# KiCad board Registers.kicad_pcb (continued)
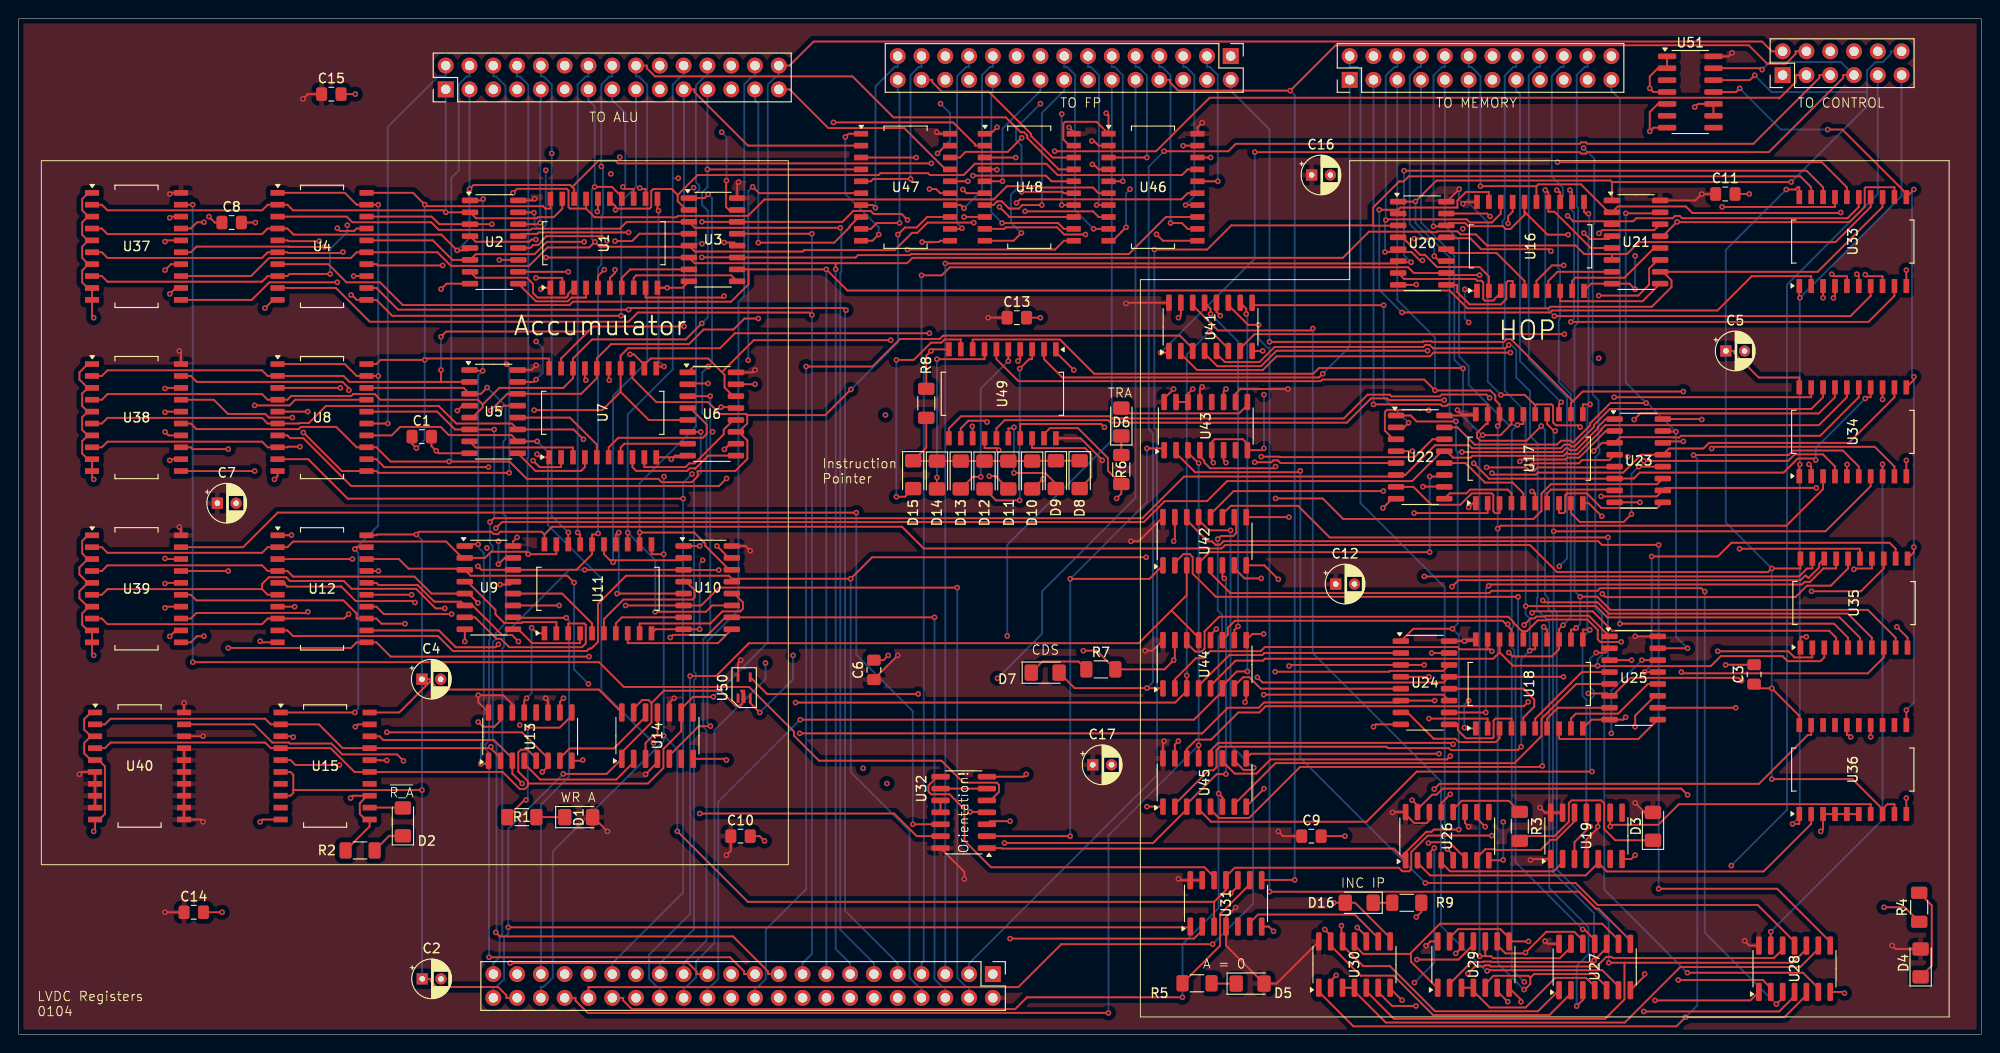
[diagram p0: board, top side]
## Routing (per net, layer and track width the routed paths; a pad name or vN(x,y) marks a point on that pad's centre or on a via; arc(x,y) is an arc through that point) (continued)
NEXT_HOP_DATA_SM: length 23.3
  Top w0.2: U44.4 125.98,37.22 129.26,40.5 132.78,40.5 133,40.72 147.57,40.72
NEXT_HOP_DM0: length 18.9
  Top w0.2: 129.79,36.94 129.79,37.19 130.73,38.13 131.4,38.13 132.62,36.91 147.57,36.91
NEXT_HOP_DM1: length 28.7
  Top w0.2: v1(132.93,36.27) 152.09,36.27 U24.11 ; v1(132.93,42.76) 131.73,42.76 U44.9
  In1.Cu w0.2: v1(132.93,36.27) v1(132.93,42.76)
NEXT_HOP_DM2: length 28.5
  Top w0.2: v1(127.87,43.27) 127.25,42.65 U44.12 ; v1(134.16,38.72) 146.31,38.72 146.4,38.81 152.09,38.81 U24.14
  In2.Cu w0.2: v1(127.87,43.27) 129.6,43.27 v1(134.16,38.72)
NEXT_HOP_DS0: length 60.1
  Top w0.2: v1(167.99,28.05) 149.27,28.05 143.91,22.7 127.31,22.7 125.98,24.03 U45.4 ; U25.2 169.39,40.76 v1(168.43,40.76)
  Bottom w0.2: v1(168.43,40.76) 167.78,40.11 167.78,37.05 168.18,36.65 168.18,36.15 167.78,35.75 167.78,28.26 v1(167.99,28.05)
NEXT_HOP_DS1: length 46.7
  Top w0.2: U25.5 166.31,37.41 162.59,33.69 162.59,31.85 159.7,28.95 134.18,28.95 129.79,24.57 129.79,24.31
NEXT_HOP_DS2: length 49.2
  Top w0.2: U45.9 131.56,29.96 v1(151.65,29.96) ; 174.37,36.14 U25.11 174.71,36.14 172.59,34.03 v1(172.59,32.84)
  In2.Cu w0.2: v1(151.65,29.96) 151.65,31.21 153.8,33.35 171.24,33.35 171.74,32.84 v1(172.59,32.84)
NEXT_HOP_DS3: length 55.4
  Top w0.2: U45.12 127.25,30.3 128.08,31.12 152.99,31.12 v1(153.16,30.96) ; U25.14 v1(173.31,39.95)
  In2.Cu w0.2: v1(170.05,32.14) 155.12,32.14 153.95,30.96 v1(153.16,30.96)
  Bottom w0.2: v1(173.31,39.95) 170.05,36.7 v1(170.05,32.14)
NEXT_HOP_IP0: length 54.7
  Top w0.2: v1(165.04,74.76) 131.95,74.76 130.43,73.25 U41.7 ; U21.14 174.63,85.88 169.07,85.88 v1(168.73,85.53)
  In1.Cu w0.2: v1(165.04,74.76) 165.04,81.35 168.73,85.03 v1(168.73,85.53)
NEXT_HOP_IP1: length 29.3
  Top w0.2: v1(148.4,65.31) 147.9,64.81 U22.2 ; U41.9 131.96,77.87 v1(145.74,77.87)
  Bottom w0.2: v1(148.4,65.31) 145.74,67.97 v1(145.74,77.87)
NEXT_HOP_IP2: length 34
  Top w0.2: v1(131.97,61.09) 133.75,61.09 133.95,61.29 134.45,61.29 134.73,61 U22.5 ; v1(128.3,76.75) 127.89,77.16 U41.12
  In1.Cu w0.2: v1(128.3,76.75) 131.97,73.08 v1(131.97,61.09)
NEXT_HOP_IP3: length 35.1
  Top w0.2: v1(150.65,51.48) 127.14,51.48 125.98,50.33 U42.4 ; U22.11 152.05,59.57 v1(150.65,59.57)
  Bottom w0.2: v1(150.65,59.57) v1(150.65,51.48)
NEXT_HOP_IP4: length 37
  Top w0.2: v1(132.67,48.69) 130.89,48.69 129.79,49.78 129.79,50.08 ; U22.14 150.94,63.54 149.04,61.64 134.67,61.64 134.61,61.69 v1(132.67,61.69)
  In1.Cu w0.2: v1(132.67,48.69) v1(132.67,61.69)
NEXT_HOP_IP5: length 43.1
  Top w0.2: U23.2 169.46,64.43 166.61,61.58 165.33,61.58 165.13,61.38 160.48,61.38 v1(160.28,61.18) ; v1(135.63,55.23) U42.9
  In2.Cu w0.2: v1(160.28,61.18) 156.11,57.01 137.41,57.01 v1(135.63,55.23)
NEXT_HOP_IP6: length 46
  Top w0.2: U23.5 170.32,60.54 162.18,60.54 161.82,60.18 161.32,60.18 160.96,60.54 v1(156.73,60.54) ; v1(145.71,58.01) 129.72,58.01 127.25,55.54 U42.12
  In2.Cu w0.2: v1(156.73,60.54) 154.07,57.89 145.83,57.89 v1(145.71,58.01)
NEXT_HOP_IP7: length 58.1
  Top w0.2: v1(134.2,57.22) 139.23,57.22 141.42,55.04 161.73,55.04 162.59,55.9 162.59,57.76 163.58,58.75 174.94,58.75 U23.11 ; v1(134.2,60.63) 134.02,60.45 127.21,60.45 126.58,61.07 126.58,61.25 126.23,61.6 126.11,61.6 U43.4
  In1.Cu w0.2: v1(134.2,57.22) v1(134.2,60.63)
RST: length 243.5
  Top w0.2: v1(173.78,67.41) 169.96,67.41 167.79,65.25 167.79,65.04 165.98,63.23 165.9,63.23 165.74,63.39 164.67,63.39 164.27,62.99 155.44,62.99 153.62,64.81 U22.15 ; U23.15 175.62,64.36 v1(176.95,64.36) ; U21.15 175.15,87.67 v1(171.59,87.67) ; U25.15 v1(178.19,41.22) ; 149.55,24.23 v1(148.78,24.99) ; 149.55,24.23 150.91,25.59 151.39,25.59 152.04,26.24 177.52,26.24 v1(178.19,25.56) ; 149.55,24.23 149.35,24.03 149.35,23.73 ; U50.4 79.9,36.34 v1(96.04,36.34) ; v1(150.86,40.71) 150.86,40.72 U24.15 ; v1(157.09,87.34) 156.78,87.66 152.44,87.66
  In1.Cu w0.2: v1(150.86,40.71) 150.86,39.31 148.78,37.24 v1(148.78,24.99) ; v1(178.19,41.22) v1(178.19,25.56)
  In2.Cu w0.2: v1(96.04,36.34) 107.39,24.99 v1(148.78,24.99) ; v1(157.09,87.34) 159.14,87.34 159.68,86.8 166.35,86.8 166.52,86.98 170.9,86.98 v1(171.59,87.67)
  Bottom w0.2: v1(171.59,87.67) 171.59,69.59 v1(173.78,67.41) 173.89,67.41 v1(176.95,64.36) 176.95,42.47 v1(178.19,41.22)
TRA: length 187.2
  Top w0.2: U51.13 186,103.17 v1(186.15,103.02) ; J3.7 194.81,102.44 194.81,102.15 186.87,94.21 167.49,94.21 167.33,94.06 166.83,94.06 166.68,94.21 v1(131.98,94.21) ; 122.17,50.08 120.73,48.64 v1(112.27,48.64) ; U32.2 v1(112.27,21.16) ; v1(120.46,62.57) 122.11,62.57 U43.1 ; v1(121.93,72.79) 122.63,72.79 U41.1
  In1.Cu w0.2: v1(120.46,62.57) 121.93,64.04 v1(121.93,72.79)
  Bottom w0.2: J3.7 194.57,103.83 186.96,103.83 v1(186.15,103.02) ; v1(120.46,62.57) 120.46,56.83 v1(112.27,48.64) v1(112.27,21.16) ; v1(131.98,94.21) 131.98,82.84 v1(121.93,72.79)
~{R_A}: length 255.3
  Top w0.2: v1(110.6,94.3) 121.44,94.3 127.16,100.02 187.9,100.02 187.98,99.95 189.73,101.69 189.73,102.44 J3.3 ; v1(38.39,70.31) 36.08,70.31 34.81,71.58 U8.1 ; v1(35.88,51.82) 36.08,52.02 U12.19 ; U15.1 v1(35.88,34.37) ; U4.1 34.81,89.87 36.08,88.59 U4.19 v1(38.39,88.59) ; v1(29.12,53.31) 28.7,53.31 28.69,53.29 U12.1
  In2.Cu w0.2: v1(35.88,51.82) 30.61,51.82 v1(29.12,53.31) ; v1(110.6,94.3) 110.23,94.68 44.47,94.68 v1(38.39,88.59)
  Bottom w0.2: v1(35.88,34.37) 36.25,34.73 36.25,51.45 v1(35.88,51.82) 38.39,54.32 v1(38.39,70.31) v1(38.39,88.59)
~{R_H}: length 91.5
  Top w0.2: v1(189.4,22.47) 190.12,22.47 U36.1 ; v1(190.87,42.45) 190.34,42.45 190.25,42.35 U35.1 ; U33.1 190.12,78.86 190.18,78.8 v1(190.18,78.65) ; v1(190.18,60.85) 190.12,60.8 U34.1
  Bottom w0.2: v1(189.4,22.47) 190.18,23.25 190.18,42.45 ; J3.11 201.04,89.52 v1(190.18,78.65) v1(190.18,60.85) 190.18,42.45 ; 190.18,42.45 v1(190.87,42.45)
~{RST}: length 130.6
  Top w0.2: 67.56,35.37 67.24,35.7 66.58,35.7 65.66,34.77 U14.13 ; 67.56,35.37 68.88,36.69 74.93,36.69 76.53,35.09 77.08,35.09 77.26,35.27 77.26,36.52 77.17,36.6 77.17,36.69 77.17,36.69 77.46,36.69 U50.2 ; 67.56,35.37 67.56,33.3 64.39,30.12 U14.1 62.78,27.81 v1(58.14,27.81) ; U31.1 125.01,11.42 v1(52.27,11.42)
  Bottom w0.2: v1(58.14,27.81) 52.27,21.94 v1(52.27,11.42) 52.27,10.76 51.82,10.31 51.82,5.9 50.96,5.04 50.67,5.04 J1.44
Net-(D1-K): length 3
  Top w0.2: D1.1 R1.2
Net-(D2-A): length 3.6
  Top w0.2: D2.2 40.98,24.21 U15.12
Net-(D2-K): length 3.7
  Top w0.2: D2.1 39.56,21.19 R2.2
Net-(D3-K): length 20.6
  Top w0.2: D3.1 170.47,20.72 169.29,21.9 169.29,24.65 168.96,24.98 165.8,24.98 165.51,24.69 165.51,22.7 163.98,21.17 160.78,21.17 R3.2
Net-(D4-K): length 10
  Top w0.2: R4.2 204.26,13.78 204.26,7.32 D4.1
Net-(D5-K): length 2.6
  Top w0.2: R5.2 127.4,5.41 D5.1
Net-(D6-A): length 14.4
  Top w0.2: D6.2 118.29,66.32 130.31,66.32 131.19,67.2 U43.9
Net-(D6-K): length 2
  Top w0.2: D6.1 R6.2
Net-(D7-K): length 6.7
  Top w0.2: R7.1 113.16,39.81 109.3,39.81 D7.1
Net-(D8-A): length 11.8
  Top w0.2: U49.18 108.2,62.6 113.87,62.6 114.52,61.95 114.52,59.51 D8.2
Net-(D9-A): length 12
  Top w0.2: D9.2 110.74,58.8 109.59,59.95 v1(106.27,59.95) ; v1(106.27,64.82) 106.15,64.7 105.66,64.7 U49.16
  Bottom w0.2: v1(106.27,64.82) v1(106.27,59.95)
Net-(D10-A): length 10.3
  Top w0.2: D10.2 108.31,58.24 v1(109.38,59.31) ; v1(104.64,62.38) 104.41,62.6 103.12,62.6 U49.14
  In2.Cu w0.2: v1(109.38,59.31) 106.31,62.38 v1(104.64,62.38)
Net-(D10-K): length 23
  Top w0.2: R8.2 96.9,62.65 D15.1 95.54,61.22 108.2,61.22 108.24,61.25 D9.1 D8.1
Net-(D11-A): length 12.7
  Top w0.2: v1(103.39,65.39) 103.25,65.53 101.41,65.53 100.58,64.7 U49.12 ; D11.2 104.3,59.6 v1(103.63,59.6)
  In1.Cu w0.2: v1(103.63,59.6) 103.39,59.84 v1(103.39,65.39)
Net-(D12-A): length 21.1
  Top w0.2: v1(106.87,71.08) 107.89,72.1 108.2,72.1 U49.3 ; v1(106.87,57.02) 104.35,57.02 D12.2
  Bottom w0.2: v1(106.87,71.08) v1(106.87,57.02)
Net-(D13-A): length 17.5
  Top w0.2: U49.5 105.66,72.1 105.66,72.1 v1(105.66,71.89) ; D13.2 101.87,59.53 v1(102.72,59.53)
  Bottom w0.2: v1(105.66,71.89) 102.72,68.95 v1(102.72,59.53)
Net-(D14-A): length 20
  Top w0.2: v1(98.04,72.1) 103.12,72.1 U49.7 ; v1(98.04,59.47) D14.2
  Bottom w0.2: v1(98.04,59.47) v1(98.04,72.1)
Net-(D15-A): length 25.6
  Top w0.2: D15.2 94.63,57.41 v1(93.71,57.41) ; U49.9 100.58,74.2 98.85,74.2 98.51,73.86 97.41,73.86 95.57,72.02 v1(93.71,72.02)
  Bottom w0.2: v1(93.71,57.41) v1(93.71,72.02)
Net-(D16-K): length 2
  Top w0.2: D16.1 R9.2
Net-(U1-D0): length 15.3
  Top w0.2: v1(55.22,80.78) 58.04,80.78 U1.2 ; U2.4 48.79,84.64 54.51,84.64 54.75,84.88 v1(55.22,84.88)
  In1.Cu w0.2: v1(55.22,84.88) v1(55.22,80.78)
Net-(U1-D1): length 13.4
  Top w0.2: U2.7 48.82,80.8 54.26,80.8 54.91,80.15 54.91,79.16 55.39,78.68 58.46,78.68 58.64,78.86 58.64,79.06 U1.3
Net-(U1-D2): length 9.2
  Top w0.2: U1.4 60.58,78.68 59.03,78.68 58.63,78.28 55.23,78.28 U2.9
Net-(U1-D3): length 15.7
  Top w0.2: v1(62.52,81.66) 61.85,80.98 U1.5 ; U2.12 54.61,83.97 54.91,84.28 55.47,84.28 55.82,84.63 55.82,84.72 56.34,85.23 62.33,85.23 v1(62.81,84.75)
  In1.Cu w0.2: v1(62.81,84.75) 62.52,84.46 v1(62.52,81.66)
Net-(U1-D4): length 13.4
  Top w0.2: U1.6 63.12,80.78 63.67,81.33 v1(63.67,81.66) ; v1(63.67,84.71) 65.49,84.71 66.27,85.5 U3.4
  In1.Cu w0.2: v1(63.67,84.71) v1(63.67,81.66)
Net-(U1-D5): length 8.6
  Top w0.2: U1.7 64.39,80.78 65.29,81.69 U3.7
Net-(U1-D6): length 12.5
  Top w0.2: U1.8 65.66,80.78 65.93,81.05 76.07,81.05 U3.9
Net-(U1-D7): length 16.8
  Top w0.2: v1(75.32,84.56) 76.37,84.56 U3.12 ; v1(75.32,78.84) 75.16,78.68 66.93,78.68 U1.9
  In1.Cu w0.2: v1(75.32,84.56) v1(75.32,78.84)
Net-(U5-Za): length 18.6
  Top w0.2: v1(46.84,66.6) 47.37,67.13 U5.4 ; v1(54.92,61.27) 55.62,60.57 57.91,60.57 57.91,61.62
  In2.Cu w0.2: v1(46.84,66.6) 47.46,67.23 50.73,67.23 51,67.49 51.56,67.49 53.86,65.19 53.86,62.32 v1(54.92,61.27)
Net-(U5-Zb): length 12.4
  Top w0.2: U7.3 59.18,62.67 48.78,62.67 U5.7
Net-(U5-Zc): length 9.2
  Top w0.2: U5.9 55.17,60.17 60.05,60.17 60.45,60.57 60.45,61.62
Net-(U5-Zd): length 11
  Top w0.2: U5.12 58.85,65.86 61.72,62.99 U7.5
Net-(U6-Za): length 15.9
  Top w0.2: U7.6 62.99,62.67 64.02,63.7 73.04,63.7 73.46,64.13 73.46,65.12 71.7,66.88 U6.4
Net-(U6-Zb): length 8.4
  Top w0.2: U7.7 64.26,62.67 64.66,63.07 U6.7
Net-(U6-Zc): length 13
  Top w0.2: U6.9 73.62,61.8 72.2,60.38 72.14,60.44 71.64,60.44 71.36,60.17 65.93,60.17 65.53,60.57 65.53,61.62
Net-(U6-Zd): length 13.2
  Top w0.2: U6.12 76.31,65.61 75.28,64.57 75.28,64.08 72.17,60.97 71.6,60.97 71.19,60.57 66.8,60.57 U7.9
Net-(U10-Za): length 14.5
  Top w0.2: U10.4 71.26,48.34 72.17,47.43 72.17,46.68 71.92,46.43 64.58,46.43 62.48,44.34 U11.6
Net-(U10-Zb): length 8.6
  Top w0.2: U10.7 64.4,44.53 63.75,43.88 U11.7
Net-(U10-Zc): length 12.8
  Top w0.2: U11.8 65.02,41.77 74.66,41.77 U10.9
Net-(U10-Zd): length 15
  Top w0.2: U10.12 76.39,47.07 77.32,46.13 77.32,45.44 77.04,45.16 75.13,45.16 73.85,43.88 66.29,43.88 U11.9
Net-(U11-D0): length 13.1
  Top w0.2: U9.4 47.9,48.34 50.9,45.33 50.9,44.86 51.84,43.93 53.69,43.93 53.78,44.02 57.4,44.02 U11.2
Net-(U11-D1): length 19.4
  Top w0.2: U11.3 58.67,43.88 60.39,43.88 60.55,43.72 60.55,41.73 60.15,41.34 52.37,41.34 51.47,42.24 51.01,42.24 48.72,44.53 U9.7
Net-(U11-D2): length 8.8
  Top w0.2: U11.4 59.94,41.77 54.82,41.77 53.33,43.26 U9.9
Net-(U11-D3): length 10.8
  Top w0.2: U11.5 61.21,43.88 58.02,47.07 U9.12
Net-(U13-Za): length 13.8
  Top w0.2: U14.2 65.66,29.06 63.8,27.21 55.67,27.21 53.98,28.9 U13.4
Net-(U13-Zb): length 11.7
  Top w0.2: U13.7 57.79,29.5 58.81,30.53 63.54,30.53 66.93,33.91 U14.12
Net-(U13-Zc): length 16.1
  Top w0.2: v1(54.36,32.74) 57.76,32.74 59.05,34.04 U13.9 ; R1.1 54,25.02 v1(54.17,25.02)
  Bottom w0.2: v1(54.17,25.02) 54.36,25.21 v1(54.36,32.74)
Net-(U16-D0): length 13
  Top w0.2: U20.4 147.75,85.12 149.62,83.25 150.14,83.25 151.44,81.94 155.97,81.94 156.97,80.94 U16.2
Net-(U16-D1): length 13.8
  Top w0.2: U16.3 158.24,79.18 157.41,78.35 156.55,78.35 156.37,78.53 156.37,80.29 156.18,80.48 155.73,80.48 155.54,80.67 147.92,80.67 U20.7
Net-(U16-D2): length 11.5
  Top w0.2: U20.9 153.59,80.04 153.59,79.28 154.92,77.95 158.27,77.95 158.84,78.53 158.84,80.28 159.02,80.45 159.51,80.45 U16.4
Net-(U16-D3): length 10.8
  Top w0.2: 160.78,79.4 160.78,80.45 157.79,83.44 152.84,83.44 152.44,83.85
Net-(U16-D4): length 12.4
  Top w0.2: v1(167.1,85.57) 167.74,84.93 169.8,84.93 170.11,85.24 ; U16.6 162.05,80.45 163.72,82.12 v1(164.96,82.12)
  In1.Cu w0.2: v1(164.96,82.12) 164.96,83.43 v1(167.1,85.57)
Net-(U16-D5): length 8.2
  Top w0.2: 170.11,81.43 164.3,81.43 163.32,80.45 U16.7
Net-(U16-D6): length 12.5
  Top w0.2: U16.8 164.59,78.35 164.65,78.29 173.38,78.29 U21.9
Net-(U16-D7): length 11.9
  Top w0.2: U16.9 165.86,80.45 166.21,80.8 171.44,80.8 174.61,83.97 U21.12
Net-(U17-D0): length 17.3
  Top w0.2: U22.4 v1(148.82,62.27) ; v1(148.99,55.67) 156.84,55.67 U17.2
  In1.Cu w0.2: v1(148.82,62.27) 148.99,62.1 v1(148.99,55.67)
Net-(U17-D1): length 15.3
  Top w0.2: U17.3 158.11,55.67 157.62,55.67 157.45,55.84 157.45,57.59 157.27,57.77 155.15,57.77 154.97,57.59 154.97,57.59 153.93,56.55 150.82,56.55 148.92,58.46 U22.7
Net-(U17-D2): length 8.8
  Top w0.2: U22.9 152.79,57.77 154.58,57.77 154.98,58.17 158.98,58.17 159.38,57.77 U17.4
Net-(U17-D3): length 10.8
  Top w0.2: U22.12 154.48,61 156.56,58.92 159.51,58.92 160.66,57.77 U17.5
Net-(U17-D4): length 13.6
  Top w0.2: v1(161.57,57.97) 161.77,57.77 161.92,57.77 U17.6 ; v1(161.57,60.78) 161.77,60.98 166.57,60.98 166.92,61.33 169.83,61.33 U23.4
  In1.Cu w0.2: v1(161.57,57.97) v1(161.57,60.78)
Net-(U17-D5): length 8.5
  Top w0.2: U17.7 163.19,57.77 163.6,58.17 170.31,58.17 U23.7
Net-(U17-D6): length 14.9
  Top w0.2: U23.9 174.94,56.2 169,56.2 167.43,57.77 165.31,57.77 165.13,57.59 165.13,55.84 164.96,55.67 164.47,55.67 U17.8
Net-(U17-D7): length 16.2
  Top w0.2: v1(172.2,55.55) 171.37,54.72 166.68,54.72 165.73,55.67 U17.9 ; U23.12 v1(172.97,60.62)
  Bottom w0.2: v1(172.97,60.62) 172.2,59.85 v1(172.2,55.55)
Net-(U18-D0): length 14.8
  Top w0.2: v1(150.57,33.72) 156.84,33.72 U18.2 ; 147.57,38.18 v1(150.57,38.18)
  In1.Cu w0.2: v1(150.57,33.72) v1(150.57,38.18)
Net-(U18-D1): length 13.1
  Top w0.2: U18.3 158.11,31.61 157.71,31.21 153.76,31.21 153.41,31.56 151.08,31.56 148.28,34.37 147.57,34.37
Net-(U18-D2): length 10.6
  Top w0.2: U18.4 159.38,33.72 157.69,33.72 157.48,33.51 157.48,31.73 157.36,31.61 154.52,31.61 153.67,32.46 153.67,33.1 U24.9
Net-(U18-D3): length 13.1
  Top w0.2: U24.12 160.66,36.91 161.82,35.75 161.82,34.99 160.66,33.83 U18.5
Net-(U18-D4): length 11
  Top w0.2: U18.6 161.92,33.72 166.89,38.68 U25.4
Net-(U18-D5): length 8.2
  Top w0.2: U18.7 163.19,33.72 164.35,34.87 U25.7
Net-(U18-D6): length 12.5
  Top w0.2: U18.8 164.47,31.61 164.54,31.54 172.94,31.54 U25.9
Net-(U18-D7): length 11.9
  Top w0.2: U18.9 165.73,33.72 166.26,34.24 170.77,34.24 173.95,37.41 U25.12
Net-(U19A-D): length 14.3
  Top w0.2: 151.89,18.58 151.89,18.34 152.83,17.4 163.89,17.4 164.85,18.36 U19.2
Net-(U19B-D): length 13.3
  Top w0.2: U19.12 166.12,22.74 164.15,20.77 163.58,20.77 162.5,19.69 157.67,19.69 157.59,19.77 156.59,19.77 155.7,18.88 155.7,18.58
Net-(U26-Zd): length 8.3
  Top w0.2: U26.12 153.16,24.03 154.07,24.93 159.1,24.93 R3.1
Net-(U27-Pad4): length 17.4
  Top w0.2: U29.3 U29.4 155.32,4.61 157.06,2.86 160.9,2.86 164.06,6.02 167.36,6.02 168.28,5.11 U27.4
Net-(U27-Pad9): length 36.3
  Top w0.2: 148.65,8.58 148.65,8.7 151.75,11.81 169.08,11.81 170.81,10.07 U27.9 ; 148.65,8.58 148.65,7.76 151.45,4.97 U29.1 ; 148.65,8.58 143.55,8.58 142.62,9.52 U30.11
Net-(U27-Pad12): length 19.6
  Top w0.2: v1(158.98,3.48) 157.86,4.61 U29.6 ; U27.12 167,10.03 166.09,10.94 163.11,10.94 v1(160.89,8.73) 160.8,8.64 158.76,8.64 157.86,9.53 U29.9
  In1.Cu w0.2: v1(158.98,3.48) 158.98,6.82 v1(160.89,8.73)
Net-(U28-Pad2): length 38.5
  Top w0.2: U29.13 152.78,10.32 153.69,11.23 158.2,11.23 159.13,10.3 U29.8 v1(161.21,9.92) ; v1(177.2,5.8) 186.21,5.8 187.07,4.94 U28.2
  In2.Cu w0.2: v1(161.21,9.92) 165.57,5.56 176.96,5.56 v1(177.2,5.8)
Net-(U28-Pad4): length 61.9
  Top w0.2: U29.11 155.32,9.57 153.73,7.98 v1(149.29,7.98) ; U28.4 189.61,4.08 187.97,2.44 v1(173.52,2.44) ; U30.2 140.08,5.71 v1(140.67,6.3)
  In2.Cu w0.2: v1(140.67,6.3) 142.35,7.98 v1(149.29,7.98) 153.63,7.98 153.81,8.17 153.9,8.17 156.59,5.48 156.59,5.41 157.82,4.17 162.11,4.17 163.9,2.39 173.47,2.39 v1(173.52,2.44)
Net-(U28-Pad9): length 56.2
  Top w0.2: U30.3 U30.4 142.62,4.6 145.97,1.25 171.49,1.25 177.41,7.18 190.22,7.18 192.15,9.11 U28.9
Net-(U28-Pad12): length 47.4
  Top w0.2: U30.6 145.16,4.51 146.65,3.03 v1(149.19,3.03) ; v1(154.73,6.48) 155.49,7.24 156.42,7.24 156.54,7.37 157.04,7.37 157.16,7.24 168.5,7.24 169.52,8.27 170.07,8.27 170.18,8.15 187.41,8.15 188.34,9.08 U28.12
  In2.Cu w0.2: v1(154.73,6.48) 151.27,3.03 v1(149.19,3.03)
Net-(U31A-D): length 36.4
  Top w0.2: v1(105.85,10.22) 125.48,10.22 126.36,11.1 U31.2 ; U32.3 103.7,22.76 v1(105.85,22.76)
  In1.Cu w0.2: v1(105.85,22.76) v1(105.85,10.22)
Net-(U31A-~{Q}): length 15.9
  Top w0.2: U31.6 131.44,11.91 132.32,12.79 142.65,12.79 145.16,10.28 U30.9
Net-(U31B-D): length 38.9
  Top w0.2: U31.12 127.63,16.8 126.6,17.84 103.81,17.84 100.98,20.67 100.98,24.05 99.39,25.64 97.41,25.64 97.15,25.9 97.15,26.58 98.08,27.51 U32.8
Net-(U31B-Q): length 14
  Top w0.2: U31.9 131.44,16.01 128.27,12.84 128.27,9.45 R5.1
Net-(U32-Pad6): length 5
  Top w0.2: U32.9 U32.6
Net-(U32-Pad10): length 1.3
  Top w0.2: U32.11 U32.10
Net-(U36-Q3): length 25.6
  Top w0.2: v1(195.6,31.75) 195.38,31.97 195.2,31.97 U36.16 ; R4.1 201.38,13.56 v1(199.17,13.56)
  In1.Cu w0.2: v1(195.6,31.75) 199.17,28.18 v1(199.17,13.56)
Net-(U37-P=R): length 144.3
  Top w0.2: v1(18.58,39.74) 61.96,39.74 64.6,37.09 78,37.09 82.78,32.31 82.78,31.89 85.45,29.22 98.52,29.22 100.86,26.87 104.44,26.87 104.67,26.64 104.67,25.89 103.75,24.97 U32.5 ; U37.19 v1(18.58,88.59)
  Bottom w0.2: v1(18.58,88.59) v1(18.58,39.74)
Net-(U38-P=R): length 125.2
  Top w0.2: U32.4 103.32,23.75 v1(101.58,23.75) ; 17.32,70.31 18.37,70.31 19.01,69.67 34.57,69.67 35.25,68.99 v1(35.25,68.77)
  In1.Cu w0.2: v1(92.54,66.14) 101.58,57.11 v1(101.58,23.75)
  In2.Cu w0.2: v1(35.25,68.77) 35.59,68.43 50.23,68.43 50.5,68.7 52.06,68.7 52.86,67.9 70.05,67.9 71.8,66.14 v1(92.54,66.14)
Net-(U39-P=R): length 112.4
  Top w0.2: U39.19 23.96,52.02 27.65,55.71 v1(89.43,55.71) ; v1(95.47,22.43) U32.12
  Bottom w0.2: v1(95.47,22.43) 95.47,34.49 89.43,40.53 v1(89.43,55.71)
Net-(U40-P=R): length 85.7
  Top w0.2: U40.19 25.14,33.1 27.08,31.16 28.84,31.16 28.95,31.05 33.38,31.05 34.54,29.89 40.4,29.89 v1(41.08,29.21) ; U32.13 95.89,21.16 93.47,23.57 v1(72.71,23.57)
  In2.Cu w0.2: v1(41.08,29.21) 46.71,23.57 v1(72.71,23.57)
Net-(U43-I0a): length 106.5
  Top w0.2: U28.11 189.61,9.87 185.68,13.81 168.57,13.81 166.22,16.16 v1(150.19,16.16) ; v1(136.85,60.18) 136.7,60.03 125.6,60.03 123.57,62.05 U43.2
  Bottom w0.2: v1(150.19,16.16) 136.85,29.5 v1(136.85,60.18)

## Copper pours and planes (outline as drawn; the poured copper is in the pictures)
+5V on Top: -11.81,116.66 221.87,118.69 226.95,-12.37 -12.32,-13.39
+5V on In1.Cu: -4.7,111.07 216.79,112.09 217.8,-5.77 -3.68,-3.73
GND on Bottom: -16.38,119.2 223.9,123.27 230.5,-16.94 -18.92,-17.45
GND on In2.Cu: -8.26,114.12 219.33,115.14 222.38,-9.83 -8.76,-9.32

## Text on the board
F.Silkscreen: LVDC Registers / 0104 | ~{R_A} | WR A | TO ALU | Instruction / Pointer | CDS | TO FP | TRA | A = 0 | INC IP | TO MEMORY | TO CONTROL | Orientation! | Accumulator | HOP
